# KiCad board temp sensor_panel.kicad_pcb
title: Twig Temp/humidity sensor; date: 2021-05-15; rev: prototype 01; company: Juniper Gardens
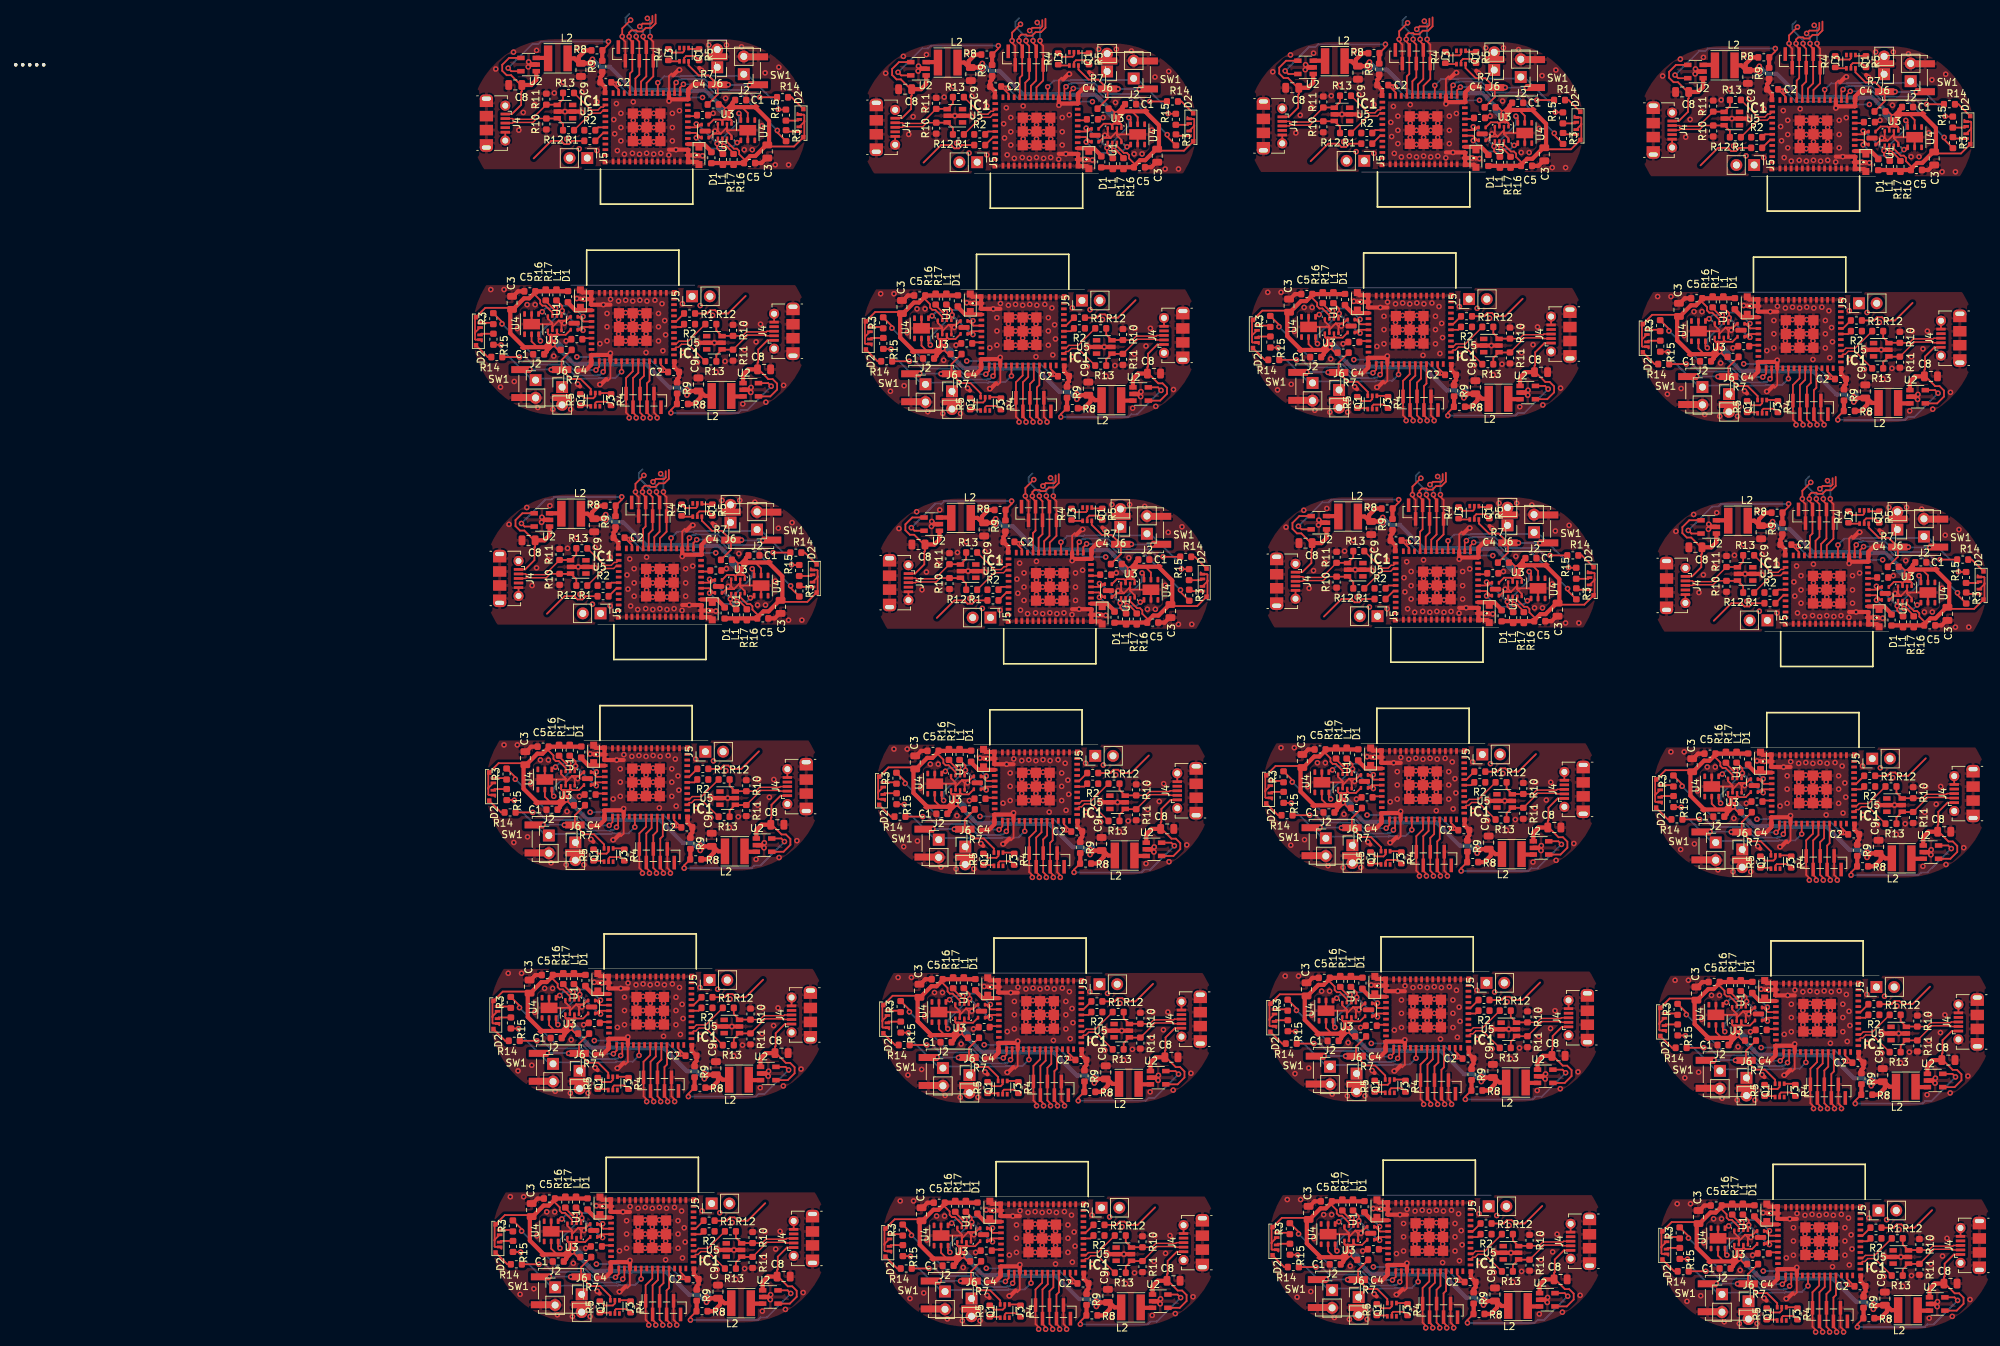
[diagram p0: board, top side]
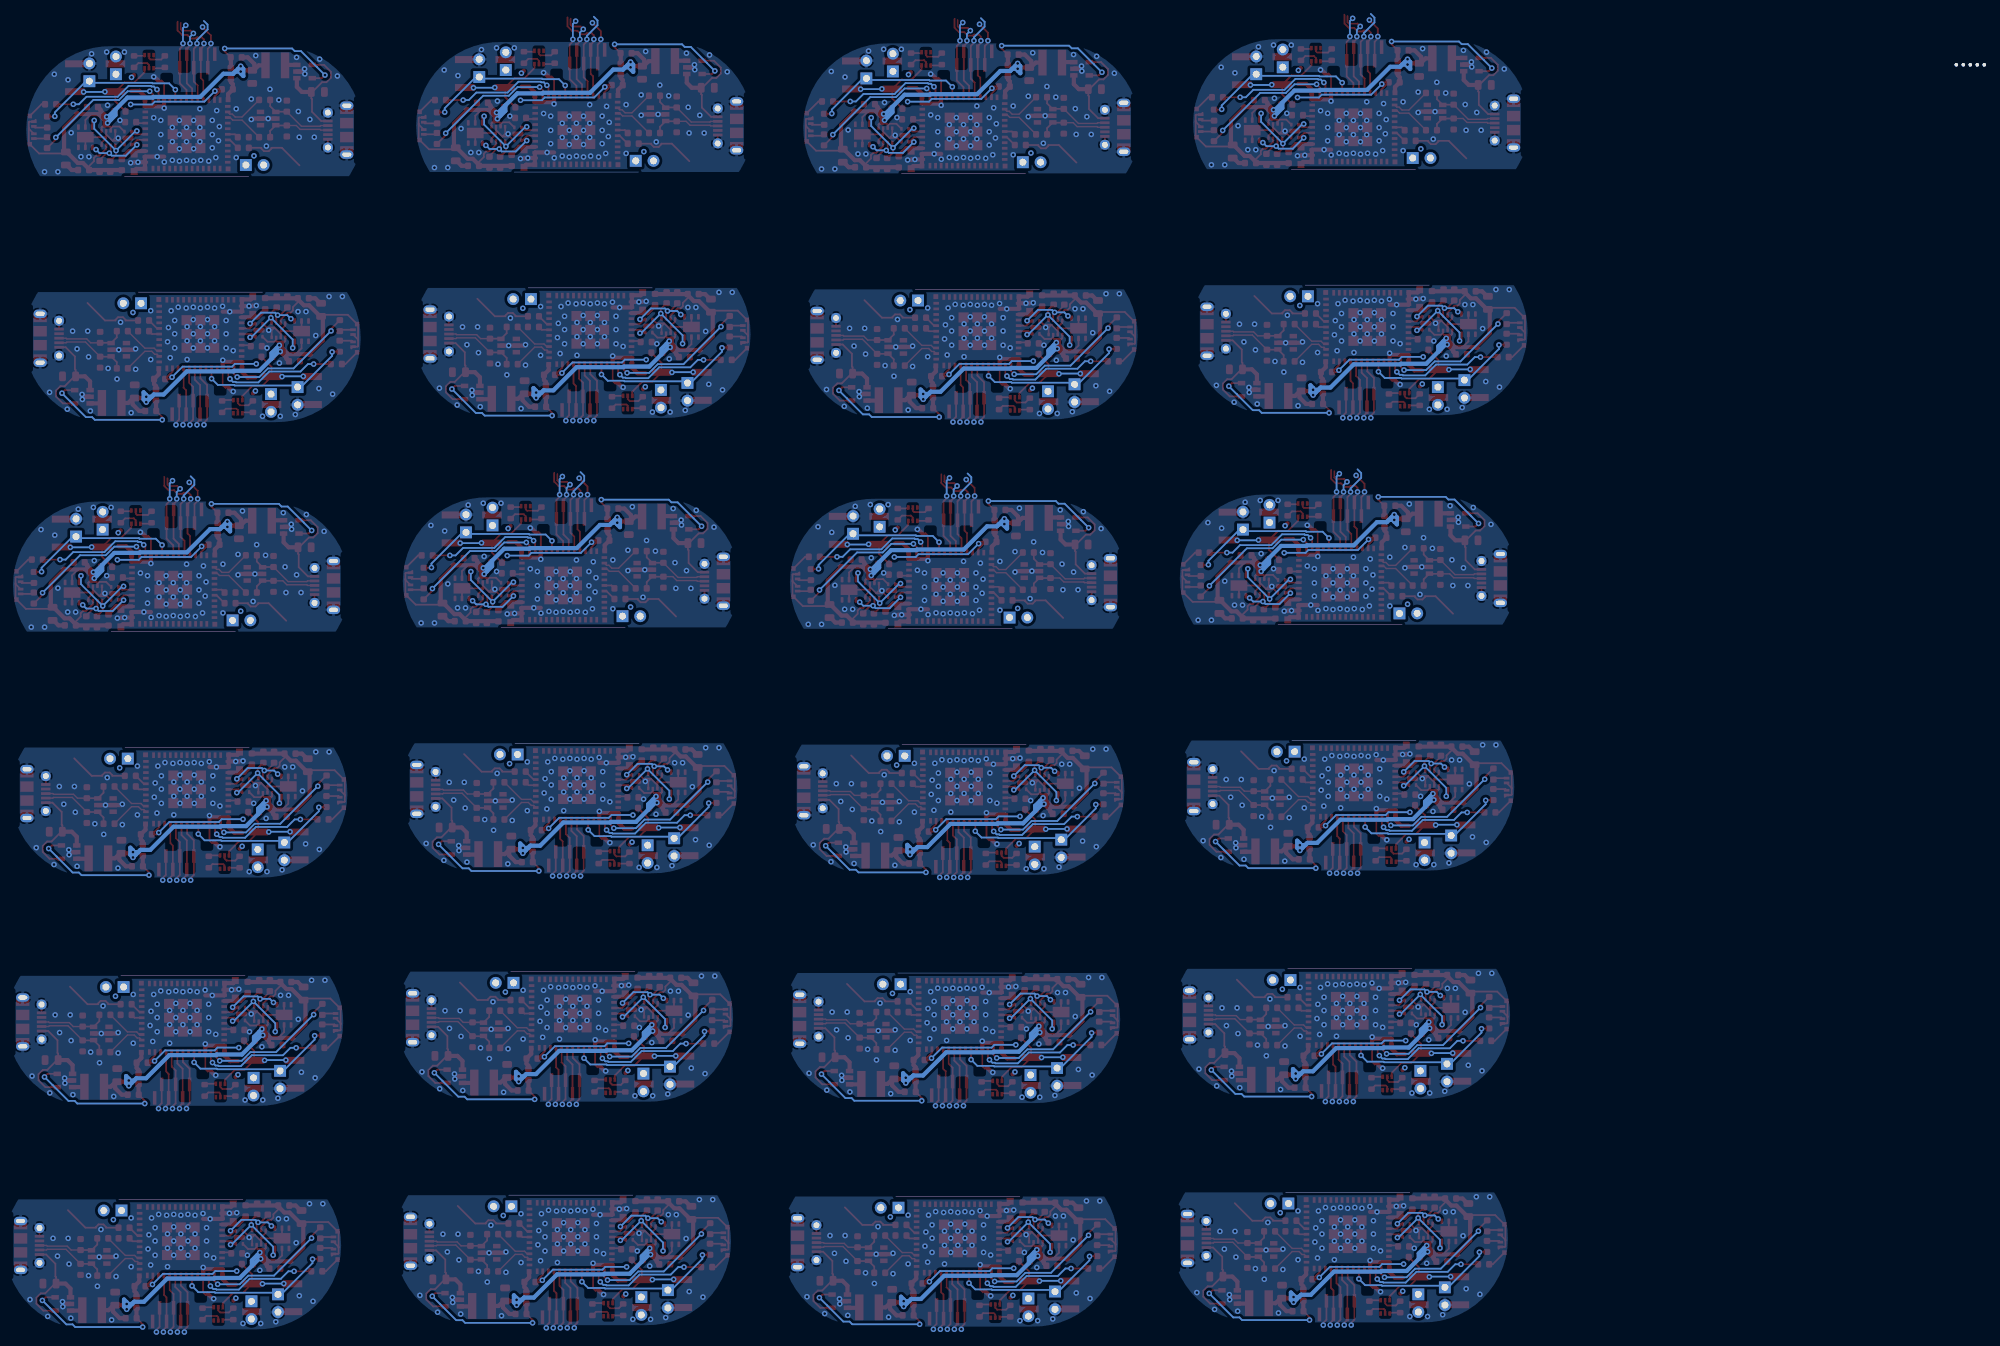
[diagram p1: board, bottom side, seen from below]

Outline 188.66 x 147.49 mm; copper layers: Top, Bottom. Coordinates in mm from the lower left corner of the outline.
Outline path: 1.98,147.49 19.76,147.49 ; 3.88,82.29 21.66,82.29 ; 17.78,130.9 0,130.9 ; 19.68,65.7 1.9,65.7 ; 20.28,33 2.5,33 ; 20.58,1 2.8,1 ; 57.78,146.89 75.56,146.89 ; 59.68,81.69 77.46,81.69 ; 73.58,130.3 55.8,130.3 ; 75.48,65.1 57.7,65.1 ; 76.08,32.4 58.3,32.4 ; 76.38,0.4 58.6,0.4 ; 113.18,147.09 130.96,147.09 ; 115.08,81.89 132.86,81.89 ; 128.98,130.5 111.2,130.5 ; 130.88,65.3 113.1,65.3 ; 131.48,32.6 113.7,32.6 ; 131.78,0.6 114,0.6 ; 168.98,146.49 186.76,146.49 ; 170.88,81.29 188.66,81.29 ; 184.78,129.9 167,129.9 ; 186.68,64.7 168.9,64.7 ; 187.28,32 169.5,32 ; 187.58,0 169.8,0

## Placement (name value [footprint] x y rotation side)
C1  0.1u  [C_0603_1608Metric]  -4.57 120.99 180 top
C1#2  0.1u  [C_0603_1608Metric]  24.34 157.4 0 top
C1#3  0.1u  [C_0603_1608Metric]  80.14 156.8 0 top
C1#4  0.1u  [C_0603_1608Metric]  51.23 120.39 180 top
C1#5  0.1u  [C_0603_1608Metric]  135.54 157 0 top
C1#6  0.1u  [C_0603_1608Metric]  106.63 120.59 180 top
C1#7  0.1u  [C_0603_1608Metric]  191.34 156.4 0 top
C1#8  0.1u  [C_0603_1608Metric]  162.43 119.99 180 top
C1#9  0.1u  [C_0603_1608Metric]  26.24 92.2 0 top
C1#10  0.1u  [C_0603_1608Metric]  -2.67 55.79 180 top
C1#11  0.1u  [C_0603_1608Metric]  164.33 54.79 180 top
C1#12  0.1u  [C_0603_1608Metric]  82.04 91.6 0 top
C1#13  0.1u  [C_0603_1608Metric]  53.13 55.19 180 top
C1#14  0.1u  [C_0603_1608Metric]  137.44 91.8 0 top
C1#15  0.1u  [C_0603_1608Metric]  108.53 55.39 180 top
C1#16  0.1u  [C_0603_1608Metric]  193.24 91.2 0 top
C1#17  0.1u  [C_0603_1608Metric]  109.13 22.69 180 top
C1#18  0.1u  [C_0603_1608Metric]  -2.07 23.09 180 top
C1#19  0.1u  [C_0603_1608Metric]  164.93 22.09 180 top
C1#20  0.1u  [C_0603_1608Metric]  53.73 22.49 180 top
C1#21  0.1u  [C_0603_1608Metric]  -1.77 -8.91 180 top
C1#22  0.1u  [C_0603_1608Metric]  165.23 -9.91 180 top
C1#23  0.1u  [C_0603_1608Metric]  109.43 -9.31 180 top
C1#24  0.1u  [C_0603_1608Metric]  54.03 -9.51 180 top
C2  0.1u  [C_0603_1608Metric]  14.73 118.45 0 top
C2#2  0.1u  [C_0603_1608Metric]  5.03 159.94 180 top
C2#3  0.1u  [C_0603_1608Metric]  60.83 159.34 180 top
C2#4  0.1u  [C_0603_1608Metric]  70.53 117.85 0 top
C2#5  0.1u  [C_0603_1608Metric]  116.23 159.54 180 top
C2#6  0.1u  [C_0603_1608Metric]  125.93 118.05 0 top
C2#7  0.1u  [C_0603_1608Metric]  172.03 158.94 180 top
C2#8  0.1u  [C_0603_1608Metric]  181.73 117.45 0 top
C2#9  0.1u  [C_0603_1608Metric]  6.93 94.74 180 top
C2#10  0.1u  [C_0603_1608Metric]  16.63 53.25 0 top
C2#11  0.1u  [C_0603_1608Metric]  183.63 52.25 0 top
C2#12  0.1u  [C_0603_1608Metric]  62.73 94.14 180 top
C2#13  0.1u  [C_0603_1608Metric]  72.43 52.65 0 top
C2#14  0.1u  [C_0603_1608Metric]  118.13 94.34 180 top
C2#15  0.1u  [C_0603_1608Metric]  127.83 52.85 0 top
C2#16  0.1u  [C_0603_1608Metric]  173.93 93.74 180 top
C2#17  0.1u  [C_0603_1608Metric]  128.43 20.15 0 top
C2#18  0.1u  [C_0603_1608Metric]  184.23 19.55 0 top
C2#19  0.1u  [C_0603_1608Metric]  17.23 20.55 0 top
C2#20  0.1u  [C_0603_1608Metric]  73.03 19.95 0 top
C2#21  0.1u  [C_0603_1608Metric]  184.53 -12.45 0 top
C2#22  0.1u  [C_0603_1608Metric]  17.53 -11.45 0 top
C2#23  0.1u  [C_0603_1608Metric]  128.73 -11.85 0 top
C2#24  0.1u  [C_0603_1608Metric]  73.33 -12.05 0 top
C3  10u  [C_0805_2012Metric]  -8.38 128.36 90 top
C3#2  10u  [C_0805_2012Metric]  28.15 150.03 270 top
C3#3  10u  [C_0805_2012Metric]  83.95 149.43 270 top
C3#4  10u  [C_0805_2012Metric]  47.42 127.76 90 top
C3#5  10u  [C_0805_2012Metric]  139.35 149.63 270 top
C3#6  10u  [C_0805_2012Metric]  102.82 127.96 90 top
C3#7  10u  [C_0805_2012Metric]  195.15 149.03 270 top
C3#8  10u  [C_0805_2012Metric]  158.62 127.36 90 top
C3#9  10u  [C_0805_2012Metric]  30.05 84.83 270 top
C3#10  10u  [C_0805_2012Metric]  -6.48 63.16 90 top
C3#11  10u  [C_0805_2012Metric]  160.52 62.16 90 top
C3#12  10u  [C_0805_2012Metric]  85.85 84.23 270 top
C3#13  10u  [C_0805_2012Metric]  49.32 62.56 90 top
C3#14  10u  [C_0805_2012Metric]  141.25 84.43 270 top
C3#15  10u  [C_0805_2012Metric]  104.72 62.76 90 top
C3#16  10u  [C_0805_2012Metric]  197.05 83.83 270 top
C3#17  10u  [C_0805_2012Metric]  105.32 30.06 90 top
C3#18  10u  [C_0805_2012Metric]  -5.88 30.46 90 top
C3#19  10u  [C_0805_2012Metric]  161.12 29.46 90 top
C3#20  10u  [C_0805_2012Metric]  49.92 29.86 90 top
C3#21  10u  [C_0805_2012Metric]  105.62 -1.94 90 top
C3#22  10u  [C_0805_2012Metric]  -5.58 -1.54 90 top
C3#23  10u  [C_0805_2012Metric]  161.42 -2.54 90 top
C3#24  10u  [C_0805_2012Metric]  50.22 -2.14 90 top
C4  0.1u  [C_0603_1608Metric]  0.89 123.15 0 top
C4#2  0.1u  [C_0603_1608Metric]  18.88 155.24 180 top
C4#3  0.1u  [C_0603_1608Metric]  74.67 154.64 180 top
C4#4  0.1u  [C_0603_1608Metric]  56.69 122.55 0 top
C4#5  0.1u  [C_0603_1608Metric]  130.07 154.84 180 top
C4#6  0.1u  [C_0603_1608Metric]  112.09 122.75 0 top
C4#7  0.1u  [C_0603_1608Metric]  185.88 154.24 180 top
C4#8  0.1u  [C_0603_1608Metric]  167.89 122.15 0 top
C4#9  0.1u  [C_0603_1608Metric]  20.77 90.04 180 top
C4#10  0.1u  [C_0603_1608Metric]  2.79 57.95 0 top
C4#11  0.1u  [C_0603_1608Metric]  76.58 89.44 180 top
C4#12  0.1u  [C_0603_1608Metric]  58.59 57.35 0 top
C4#13  0.1u  [C_0603_1608Metric]  131.98 89.64 180 top
C4#14  0.1u  [C_0603_1608Metric]  113.99 57.55 0 top
C4#15  0.1u  [C_0603_1608Metric]  169.79 56.95 0 top
C4#16  0.1u  [C_0603_1608Metric]  187.77 89.04 180 top
C4#17  0.1u  [C_0603_1608Metric]  114.59 24.85 0 top
C4#18  0.1u  [C_0603_1608Metric]  170.39 24.25 0 top
C4#19  0.1u  [C_0603_1608Metric]  3.39 25.25 0 top
C4#20  0.1u  [C_0603_1608Metric]  59.19 24.65 0 top
C4#21  0.1u  [C_0603_1608Metric]  114.89 -7.15 0 top
C4#22  0.1u  [C_0603_1608Metric]  3.69 -6.75 0 top
C4#23  0.1u  [C_0603_1608Metric]  170.69 -7.75 0 top
C4#24  0.1u  [C_0603_1608Metric]  59.49 -7.35 0 top
C5  0.1u  [C_0603_1608Metric]  -5.84 130.01 180 top
C5#2  0.1u  [C_0603_1608Metric]  25.61 148.38 0 top
C5#3  0.1u  [C_0603_1608Metric]  81.41 147.78 0 top
C5#4  0.1u  [C_0603_1608Metric]  49.96 129.41 180 top
C5#5  0.1u  [C_0603_1608Metric]  136.81 147.98 0 top
C5#6  0.1u  [C_0603_1608Metric]  105.36 129.61 180 top
C5#7  0.1u  [C_0603_1608Metric]  192.61 147.38 0 top
C5#8  0.1u  [C_0603_1608Metric]  161.16 129.01 180 top
C5#9  0.1u  [C_0603_1608Metric]  27.51 83.18 0 top
C5#10  0.1u  [C_0603_1608Metric]  -3.94 64.81 180 top
C5#11  0.1u  [C_0603_1608Metric]  163.06 63.81 180 top
C5#12  0.1u  [C_0603_1608Metric]  83.31 82.58 0 top
C5#13  0.1u  [C_0603_1608Metric]  51.86 64.21 180 top
C5#14  0.1u  [C_0603_1608Metric]  138.71 82.78 0 top
C5#15  0.1u  [C_0603_1608Metric]  107.26 64.41 180 top
C5#16  0.1u  [C_0603_1608Metric]  194.51 82.18 0 top
C5#17  0.1u  [C_0603_1608Metric]  107.86 31.71 180 top
C5#18  0.1u  [C_0603_1608Metric]  -3.34 32.11 180 top
C5#19  0.1u  [C_0603_1608Metric]  163.66 31.11 180 top
C5#20  0.1u  [C_0603_1608Metric]  52.46 31.51 180 top
C5#21  0.1u  [C_0603_1608Metric]  163.96 -0.89 180 top
C5#22  0.1u  [C_0603_1608Metric]  108.16 -0.29 180 top
C5#23  0.1u  [C_0603_1608Metric]  -3.04 0.11 180 top
C5#24  0.1u  [C_0603_1608Metric]  52.76 -0.49 180 top
C8  4.7u  [C_0805_2012Metric]  27.69 118.84 0 top
C8#2  4.7u  [C_0805_2012Metric]  -7.92 159.56 180 top
C8#3  4.7u  [C_0805_2012Metric]  47.88 158.96 180 top
C8#4  4.7u  [C_0805_2012Metric]  83.49 118.23 0 top
C8#5  4.7u  [C_0805_2012Metric]  103.28 159.16 180 top
C8#6  4.7u  [C_0805_2012Metric]  138.89 118.44 0 top
C8#7  4.7u  [C_0805_2012Metric]  159.08 158.56 180 top
C8#8  4.7u  [C_0805_2012Metric]  194.69 117.83 0 top
C8#9  4.7u  [C_0805_2012Metric]  -6.02 94.36 180 top
C8#10  4.7u  [C_0805_2012Metric]  29.59 53.63 0 top
C8#11  4.7u  [C_0805_2012Metric]  196.59 52.63 0 top
C8#12  4.7u  [C_0805_2012Metric]  49.78 93.76 180 top
C8#13  4.7u  [C_0805_2012Metric]  85.39 53.03 0 top
C8#14  4.7u  [C_0805_2012Metric]  105.18 93.96 180 top
C8#15  4.7u  [C_0805_2012Metric]  140.79 53.23 0 top
C8#16  4.7u  [C_0805_2012Metric]  160.98 93.36 180 top
C8#17  4.7u  [C_0805_2012Metric]  141.39 20.53 0 top
C8#18  4.7u  [C_0805_2012Metric]  30.19 20.94 0 top
C8#19  4.7u  [C_0805_2012Metric]  197.19 19.94 0 top
C8#20  4.7u  [C_0805_2012Metric]  85.99 20.34 0 top
C8#21  4.7u  [C_0805_2012Metric]  30.49 -11.06 0 top
C8#22  4.7u  [C_0805_2012Metric]  141.69 -11.47 0 top
C8#23  4.7u  [C_0805_2012Metric]  197.49 -12.06 0 top
C8#24  4.7u  [C_0805_2012Metric]  86.29 -11.66 0 top
C9  10u  [C_0805_2012Metric]  18.29 116.68 90 top
C9#2  10u  [C_0805_2012Metric]  1.48 161.72 270 top
C9#3  10u  [C_0805_2012Metric]  57.28 161.12 270 top
C9#4  10u  [C_0805_2012Metric]  74.09 116.08 90 top
C9#5  10u  [C_0805_2012Metric]  112.68 161.32 270 top
C9#6  10u  [C_0805_2012Metric]  129.49 116.28 90 top
C9#7  10u  [C_0805_2012Metric]  168.48 160.72 270 top
C9#8  10u  [C_0805_2012Metric]  185.29 115.68 90 top
C9#9  10u  [C_0805_2012Metric]  3.38 96.52 270 top
C9#10  10u  [C_0805_2012Metric]  20.19 51.48 90 top
C9#11  10u  [C_0805_2012Metric]  187.19 50.48 90 top
C9#12  10u  [C_0805_2012Metric]  59.18 95.92 270 top
C9#13  10u  [C_0805_2012Metric]  75.99 50.88 90 top
C9#14  10u  [C_0805_2012Metric]  114.58 96.12 270 top
C9#15  10u  [C_0805_2012Metric]  131.39 51.08 90 top
C9#16  10u  [C_0805_2012Metric]  170.38 95.52 270 top
C9#17  10u  [C_0805_2012Metric]  131.99 18.38 90 top
C9#18  10u  [C_0805_2012Metric]  20.79 18.78 90 top
C9#19  10u  [C_0805_2012Metric]  187.79 17.78 90 top
C9#20  10u  [C_0805_2012Metric]  76.59 18.18 90 top
C9#21  10u  [C_0805_2012Metric]  21.09 -13.22 90 top
C9#22  10u  [C_0805_2012Metric]  132.29 -13.62 90 top
C9#23  10u  [C_0805_2012Metric]  188.09 -14.22 90 top
C9#24  10u  [C_0805_2012Metric]  76.89 -13.82 90 top
D1  3.3v_TVS  [D_SOD-323_HandSoldering]  1.4 128.97 90 top
D1#2  3.3v_TVS  [D_SOD-323_HandSoldering]  18.37 149.42 270 top
D1#3  3.3v_TVS  [D_SOD-323_HandSoldering]  74.17 148.82 270 top
D1#4  3.3v_TVS  [D_SOD-323_HandSoldering]  57.2 128.38 90 top
D1#5  3.3v_TVS  [D_SOD-323_HandSoldering]  129.57 149.02 270 top
D1#6  3.3v_TVS  [D_SOD-323_HandSoldering]  112.6 128.57 90 top
D1#7  3.3v_TVS  [D_SOD-323_HandSoldering]  185.37 148.42 270 top
D1#8  3.3v_TVS  [D_SOD-323_HandSoldering]  168.4 127.97 90 top
D1#9  3.3v_TVS  [D_SOD-323_HandSoldering]  20.27 84.22 270 top
D1#10  3.3v_TVS  [D_SOD-323_HandSoldering]  3.3 63.77 90 top
D1#11  3.3v_TVS  [D_SOD-323_HandSoldering]  170.3 62.77 90 top
D1#12  3.3v_TVS  [D_SOD-323_HandSoldering]  76.07 83.62 270 top
D1#13  3.3v_TVS  [D_SOD-323_HandSoldering]  59.1 63.17 90 top
D1#14  3.3v_TVS  [D_SOD-323_HandSoldering]  131.47 83.82 270 top
D1#15  3.3v_TVS  [D_SOD-323_HandSoldering]  114.5 63.38 90 top
D1#16  3.3v_TVS  [D_SOD-323_HandSoldering]  187.27 83.22 270 top
D1#17  3.3v_TVS  [D_SOD-323_HandSoldering]  115.1 30.68 90 top
D1#18  3.3v_TVS  [D_SOD-323_HandSoldering]  3.9 31.07 90 top
D1#19  3.3v_TVS  [D_SOD-323_HandSoldering]  170.9 30.07 90 top
D1#20  3.3v_TVS  [D_SOD-323_HandSoldering]  59.7 30.47 90 top
D1#21  3.3v_TVS  [D_SOD-323_HandSoldering]  115.4 -1.32 90 top
D1#22  3.3v_TVS  [D_SOD-323_HandSoldering]  4.2 -0.93 90 top
D1#23  3.3v_TVS  [D_SOD-323_HandSoldering]  171.2 -1.93 90 top
D1#24  3.3v_TVS  [D_SOD-323_HandSoldering]  60 -1.53 90 top
D2  QLS6A  [LED_Cree-PLCC6_4.7x1.5mm]  -13.21 124.3 270 top
D2#2  QLS6A  [LED_Cree-PLCC6_4.7x1.5mm]  32.97 154.1 90 top
D2#3  QLS6A  [LED_Cree-PLCC6_4.7x1.5mm]  88.77 153.5 90 top
D2#4  QLS6A  [LED_Cree-PLCC6_4.7x1.5mm]  42.59 123.7 270 top
D2#5  QLS6A  [LED_Cree-PLCC6_4.7x1.5mm]  144.17 153.7 90 top
D2#6  QLS6A  [LED_Cree-PLCC6_4.7x1.5mm]  97.99 123.9 270 top
D2#7  QLS6A  [LED_Cree-PLCC6_4.7x1.5mm]  199.97 153.1 90 top
D2#8  QLS6A  [LED_Cree-PLCC6_4.7x1.5mm]  153.79 123.3 270 top
D2#9  QLS6A  [LED_Cree-PLCC6_4.7x1.5mm]  34.87 88.9 90 top
D2#10  QLS6A  [LED_Cree-PLCC6_4.7x1.5mm]  -11.31 59.1 270 top
D2#11  QLS6A  [LED_Cree-PLCC6_4.7x1.5mm]  90.67 88.3 90 top
D2#12  QLS6A  [LED_Cree-PLCC6_4.7x1.5mm]  44.49 58.5 270 top
D2#13  QLS6A  [LED_Cree-PLCC6_4.7x1.5mm]  146.07 88.5 90 top
D2#14  QLS6A  [LED_Cree-PLCC6_4.7x1.5mm]  99.89 58.7 270 top
D2#15  QLS6A  [LED_Cree-PLCC6_4.7x1.5mm]  201.87 87.9 90 top
D2#16  QLS6A  [LED_Cree-PLCC6_4.7x1.5mm]  155.69 58.1 270 top
D2#17  QLS6A  [LED_Cree-PLCC6_4.7x1.5mm]  156.29 25.4 270 top
D2#18  QLS6A  [LED_Cree-PLCC6_4.7x1.5mm]  100.49 26 270 top
D2#19  QLS6A  [LED_Cree-PLCC6_4.7x1.5mm]  -10.71 26.4 270 top
D2#20  QLS6A  [LED_Cree-PLCC6_4.7x1.5mm]  45.09 25.8 270 top
D2#21  QLS6A  [LED_Cree-PLCC6_4.7x1.5mm]  156.59 -6.6 270 top
D2#22  QLS6A  [LED_Cree-PLCC6_4.7x1.5mm]  -10.41 -5.6 270 top
D2#23  QLS6A  [LED_Cree-PLCC6_4.7x1.5mm]  100.79 -6 270 top
D2#24  QLS6A  [LED_Cree-PLCC6_4.7x1.5mm]  45.39 -6.2 270 top
IC1  ESP32-C3-MINI-1  [ESP32C3MINI1]  8.89 127.6 0 top
IC1#2  ESP32-C3-MINI-1  [ESP32C3MINI1]  10.87 150.79 180 top
IC1#3  ESP32-C3-MINI-1  [ESP32C3MINI1]  66.67 150.19 180 top
IC1#4  ESP32-C3-MINI-1  [ESP32C3MINI1]  64.69 127 0 top
IC1#5  ESP32-C3-MINI-1  [ESP32C3MINI1]  122.07 150.39 180 top
IC1#6  ESP32-C3-MINI-1  [ESP32C3MINI1]  120.09 127.2 0 top
IC1#7  ESP32-C3-MINI-1  [ESP32C3MINI1]  177.87 149.79 180 top
IC1#8  ESP32-C3-MINI-1  [ESP32C3MINI1]  175.89 126.6 0 top
IC1#9  ESP32-C3-MINI-1  [ESP32C3MINI1]  12.77 85.59 180 top
IC1#10  ESP32-C3-MINI-1  [ESP32C3MINI1]  10.79 62.4 0 top
IC1#11  ESP32-C3-MINI-1  [ESP32C3MINI1]  177.79 61.4 0 top
IC1#12  ESP32-C3-MINI-1  [ESP32C3MINI1]  68.57 84.99 180 top
IC1#13  ESP32-C3-MINI-1  [ESP32C3MINI1]  66.59 61.8 0 top
IC1#14  ESP32-C3-MINI-1  [ESP32C3MINI1]  123.97 85.19 180 top
IC1#15  ESP32-C3-MINI-1  [ESP32C3MINI1]  121.99 62 0 top
IC1#16  ESP32-C3-MINI-1  [ESP32C3MINI1]  179.77 84.59 180 top
IC1#17  ESP32-C3-MINI-1  [ESP32C3MINI1]  122.59 29.3 0 top
IC1#18  ESP32-C3-MINI-1  [ESP32C3MINI1]  11.39 29.7 0 top
IC1#19  ESP32-C3-MINI-1  [ESP32C3MINI1]  178.39 28.7 0 top
IC1#20  ESP32-C3-MINI-1  [ESP32C3MINI1]  67.19 29.1 0 top
IC1#21  ESP32-C3-MINI-1  [ESP32C3MINI1]  11.69 -2.3 0 top
IC1#22  ESP32-C3-MINI-1  [ESP32C3MINI1]  178.69 -3.3 0 top
IC1#23  ESP32-C3-MINI-1  [ESP32C3MINI1]  122.89 -2.7 0 top
IC1#24  ESP32-C3-MINI-1  [ESP32C3MINI1]  67.49 -2.9 0 top
J2  Conn_01x02_Male  [PinHeader_1x02_P2.54mm_Vertical]  -5.02 117.3 0 top
J2#2  Conn_01x02_Male  [PinHeader_1x02_P2.54mm_Vertical]  24.78 161.1 180 top
J2#3  Conn_01x02_Male  [PinHeader_1x02_P2.54mm_Vertical]  80.58 160.5 180 top
J2#4  Conn_01x02_Male  [PinHeader_1x02_P2.54mm_Vertical]  50.78 116.7 0 top
J2#5  Conn_01x02_Male  [PinHeader_1x02_P2.54mm_Vertical]  135.98 160.7 180 top
J2#6  Conn_01x02_Male  [PinHeader_1x02_P2.54mm_Vertical]  106.18 116.9 0 top
J2#7  Conn_01x02_Male  [PinHeader_1x02_P2.54mm_Vertical]  191.78 160.1 180 top
J2#8  Conn_01x02_Male  [PinHeader_1x02_P2.54mm_Vertical]  161.98 116.3 0 top
J2#9  Conn_01x02_Male  [PinHeader_1x02_P2.54mm_Vertical]  26.68 95.9 180 top
J2#10  Conn_01x02_Male  [PinHeader_1x02_P2.54mm_Vertical]  -3.12 52.1 0 top
J2#11  Conn_01x02_Male  [PinHeader_1x02_P2.54mm_Vertical]  193.68 94.9 180 top
J2#12  Conn_01x02_Male  [PinHeader_1x02_P2.54mm_Vertical]  163.88 51.1 0 top
J2#13  Conn_01x02_Male  [PinHeader_1x02_P2.54mm_Vertical]  82.48 95.3 180 top
J2#14  Conn_01x02_Male  [PinHeader_1x02_P2.54mm_Vertical]  52.68 51.5 0 top
J2#15  Conn_01x02_Male  [PinHeader_1x02_P2.54mm_Vertical]  137.88 95.5 180 top
J2#16  Conn_01x02_Male  [PinHeader_1x02_P2.54mm_Vertical]  108.08 51.7 0 top
J2#17  Conn_01x02_Male  [PinHeader_1x02_P2.54mm_Vertical]  108.68 19 0 top
J2#18  Conn_01x02_Male  [PinHeader_1x02_P2.54mm_Vertical]  -2.52 19.4 0 top
J2#19  Conn_01x02_Male  [PinHeader_1x02_P2.54mm_Vertical]  164.48 18.4 0 top
J2#20  Conn_01x02_Male  [PinHeader_1x02_P2.54mm_Vertical]  53.28 18.8 0 top
J2#21  Conn_01x02_Male  [PinHeader_1x02_P2.54mm_Vertical]  -2.22 -12.6 0 top
J2#22  Conn_01x02_Male  [PinHeader_1x02_P2.54mm_Vertical]  108.98 -13 0 top
J2#23  Conn_01x02_Male  [PinHeader_1x02_P2.54mm_Vertical]  164.78 -13.6 0 top
J2#24  Conn_01x02_Male  [PinHeader_1x02_P2.54mm_Vertical]  53.58 -13.2 0 top
J3  Conn_01x05_Male  [PinSocket_1x06_P1.00mm_Vertical_SMD_Pin1Right]  10.43 114.39 90 top
J3#2  Conn_01x05_Male  [PinSocket_1x06_P1.00mm_Vertical_SMD_Pin1Right]  9.33 164 270 top
J3#3  Conn_01x05_Male  [PinSocket_1x06_P1.00mm_Vertical_SMD_Pin1Right]  65.13 163.4 270 top
J3#4  Conn_01x05_Male  [PinSocket_1x06_P1.00mm_Vertical_SMD_Pin1Right]  66.23 113.79 90 top
J3#5  Conn_01x05_Male  [PinSocket_1x06_P1.00mm_Vertical_SMD_Pin1Right]  120.53 163.6 270 top
J3#6  Conn_01x05_Male  [PinSocket_1x06_P1.00mm_Vertical_SMD_Pin1Right]  121.63 113.99 90 top
J3#7  Conn_01x05_Male  [PinSocket_1x06_P1.00mm_Vertical_SMD_Pin1Right]  176.33 163 270 top
J3#8  Conn_01x05_Male  [PinSocket_1x06_P1.00mm_Vertical_SMD_Pin1Right]  177.43 113.39 90 top
J3#9  Conn_01x05_Male  [PinSocket_1x06_P1.00mm_Vertical_SMD_Pin1Right]  11.23 98.8 270 top
J3#10  Conn_01x05_Male  [PinSocket_1x06_P1.00mm_Vertical_SMD_Pin1Right]  12.33 49.19 90 top
J3#11  Conn_01x05_Male  [PinSocket_1x06_P1.00mm_Vertical_SMD_Pin1Right]  179.33 48.19 90 top
J3#12  Conn_01x05_Male  [PinSocket_1x06_P1.00mm_Vertical_SMD_Pin1Right]  67.03 98.2 270 top
J3#13  Conn_01x05_Male  [PinSocket_1x06_P1.00mm_Vertical_SMD_Pin1Right]  68.13 48.59 90 top
J3#14  Conn_01x05_Male  [PinSocket_1x06_P1.00mm_Vertical_SMD_Pin1Right]  122.43 98.4 270 top
J3#15  Conn_01x05_Male  [PinSocket_1x06_P1.00mm_Vertical_SMD_Pin1Right]  123.53 48.79 90 top
J3#16  Conn_01x05_Male  [PinSocket_1x06_P1.00mm_Vertical_SMD_Pin1Right]  178.23 97.8 270 top
J3#17  Conn_01x05_Male  [PinSocket_1x06_P1.00mm_Vertical_SMD_Pin1Right]  124.13 16.09 90 top
J3#18  Conn_01x05_Male  [PinSocket_1x06_P1.00mm_Vertical_SMD_Pin1Right]  12.93 16.49 90 top
J3#19  Conn_01x05_Male  [PinSocket_1x06_P1.00mm_Vertical_SMD_Pin1Right]  179.93 15.49 90 top
J3#20  Conn_01x05_Male  [PinSocket_1x06_P1.00mm_Vertical_SMD_Pin1Right]  68.73 15.89 90 top
J3#21  Conn_01x05_Male  [PinSocket_1x06_P1.00mm_Vertical_SMD_Pin1Right]  13.23 -15.51 90 top
J3#22  Conn_01x05_Male  [PinSocket_1x06_P1.00mm_Vertical_SMD_Pin1Right]  124.43 -15.91 90 top
J3#23  Conn_01x05_Male  [PinSocket_1x06_P1.00mm_Vertical_SMD_Pin1Right]  69.03 -16.11 90 top
J3#24  Conn_01x05_Male  [PinSocket_1x06_P1.00mm_Vertical_SMD_Pin1Right]  180.23 -16.51 90 top
J4  USB_B_Micro  [USB_Micro-B_Molex-105017-0001]  30.58 124.3 90 top
J4#2  USB_B_Micro  [USB_Micro-B_Molex-105017-0001]  -10.82 154.1 270 top
J4#3  USB_B_Micro  [USB_Micro-B_Molex-105017-0001]  44.98 153.5 270 top
J4#4  USB_B_Micro  [USB_Micro-B_Molex-105017-0001]  86.38 123.7 90 top
J4#5  USB_B_Micro  [USB_Micro-B_Molex-105017-0001]  100.38 153.7 270 top
J4#6  USB_B_Micro  [USB_Micro-B_Molex-105017-0001]  141.78 123.9 90 top
J4#7  USB_B_Micro  [USB_Micro-B_Molex-105017-0001]  156.18 153.1 270 top
J4#8  USB_B_Micro  [USB_Micro-B_Molex-105017-0001]  197.58 123.3 90 top
J4#9  USB_B_Micro  [USB_Micro-B_Molex-105017-0001]  -8.92 88.9 270 top
J4#10  USB_B_Micro  [USB_Micro-B_Molex-105017-0001]  32.48 59.1 90 top
J4#11  USB_B_Micro  [USB_Micro-B_Molex-105017-0001]  46.88 88.3 270 top
J4#12  USB_B_Micro  [USB_Micro-B_Molex-105017-0001]  88.28 58.5 90 top
J4#13  USB_B_Micro  [USB_Micro-B_Molex-105017-0001]  102.28 88.5 270 top
J4#14  USB_B_Micro  [USB_Micro-B_Molex-105017-0001]  143.68 58.7 90 top
J4#15  USB_B_Micro  [USB_Micro-B_Molex-105017-0001]  158.08 87.9 270 top
J4#16  USB_B_Micro  [USB_Micro-B_Molex-105017-0001]  199.48 58.1 90 top
J4#17  USB_B_Micro  [USB_Micro-B_Molex-105017-0001]  200.08 25.4 90 top
J4#18  USB_B_Micro  [USB_Micro-B_Molex-105017-0001]  144.28 26 90 top
J4#19  USB_B_Micro  [USB_Micro-B_Molex-105017-0001]  33.08 26.4 90 top